# Altium PCB H-Watch.PcbDoc (part 1 of 2) (continued)
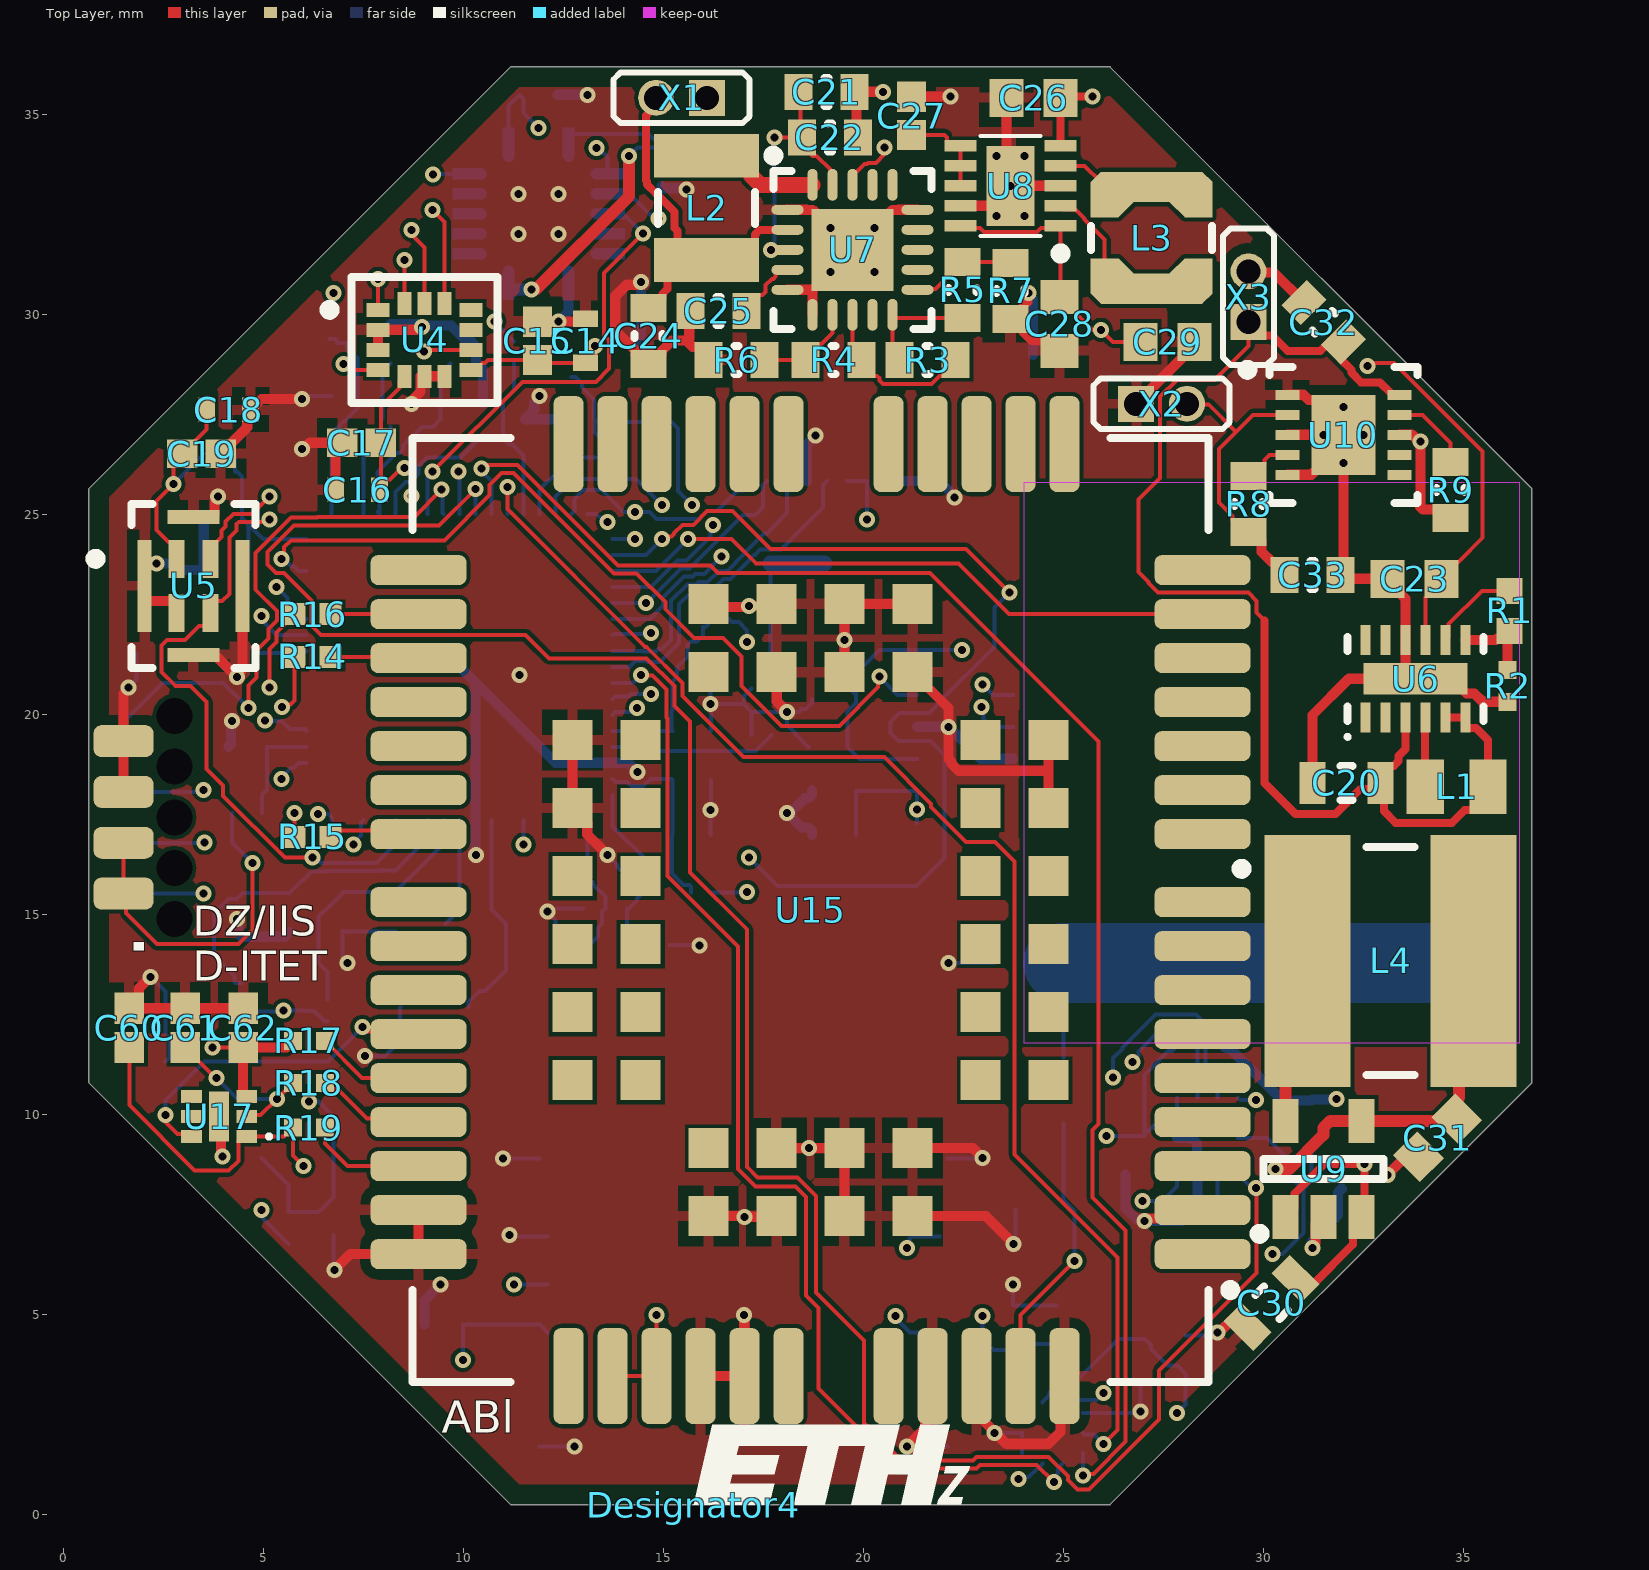
[diagram p0: Top Layer view]
## Components (designator, comment, footprint, x,y, rotation, side; value= is the part's Value field where it differs from the comment)
C1 "10u" CAPC1005X70X10NL05 19.264,20.4 r0 bottom
C2 "100n" CAPC1005X60X30ML05T10 19.114,19.2 r0 bottom
C3 "10u" CAPC1005X70X10NL05 28.425,11.85 r180 bottom
C4 "100n" CAPC1005X60X30ML05T10 31.475,8.15 r180 bottom
C5 "10u" CAPC1005X70X10NL05 31.2,9.81 r270 bottom
C6 "100n" CAPC1005X60X30ML05T10 26.7,9.025 r90 bottom
C7 "220n" CAPC1005X55X25ML05T10 28.425,7.35 r0 bottom
C8 "10u" CAPC1005X70X10NL05 19.264,18.1 r0 bottom
C9 "10u" CAPC1005X70X10NL05 19.264,17 r0 bottom
C10 "10u" CAPC1005X70X10NL05 23.725,4.675 r270 bottom
C11 "100n" CAPC1005X60X30ML05T10 25.15,4.75 r270 bottom
C12 "10u" CAPC1005X70X10NL05 26.925,3.85 r90 bottom
C13 "100n" CAPC1005X60X30ML05T10 28.05,4 r270 bottom
C14 "10u" CAPC1005X70X10NL05 13.05,29.35 r270 top
C15 "100n" CAPC1005X60X30ML05T10 11.85,29.35 r270 top
C16 "10u" CAPC1005X70X10NL05 7.35,25.625 r0 top
C17 "100n" CAPC1005X60X30ML05T10 7.45,26.8 r0 top
C18 "10u" CAPC1005X70X10NL05 4.125,27.625 r180 top
C19 "100n" CAPC1005X60X30ML05T10 3.45,26.525 r180 top
C20 "4.7u" CAPC1608X90X20ML10 32.075,18.3 r0 top
C21 "CAP 4.7uF" CAPC0603(1608)100_L 19.075,35.575 r0 top value=4.7uF
C22 "CAP 10nF" CAPC0603(1608)100_L 19.156,34.436 r0 top value=10nF
C23 "10u" CAPC1608X90X35NL10T15#1 33.775,23.4 r0 top
C24 "CAP 4.7uF" CAPC0603(1608)100_L 14.625,29.475 r90 top value=4.7uF
C25 "CAP 10nF" CAPC0603(1608)100_L 16.375,30.1 r0 top value=10nF
C26 "10u" CAPC1608X90X35NL10T15#1 24.25,35.425 r0 top
C27 "100n" CAPC1005X60X30ML05T10 21.2,34.975 r270 top
C28 "10u" CAPC1608X90X35NL10T15#1 24.9,29.775 r90 top
C29 "10u" CAPC1608X90X35NL10T15#1 27.6,29.325 r180 top
C30 "4.7u" CAPC1608X90X20ML10 30.2,5.3 r45 top
C31 "10u" CAPC1608X90X35NL10T15#2 34.35,9.425 r45 top
C32 "CAP 1uF" CAPC0603(1608)100_L 31.5,29.815 r315 top value=1uF
C33 "CAP 1uF" CAPC0603(1608)100_L 31.225,23.5 r180 top value=1uF
C34 "100n" CAPC1005X60X30ML05T10 6.75,7.475 r90 bottom
C35 "100n" CAPC1005X60X30ML05T10 14.95,33.7 r90 bottom
C36 "100n" CAPC1005X60X30ML05T10 11.875,35.5 r180 bottom
C37 "4p" CAPC1005X55X25ML05T10 8.175,29.275 r270 bottom
C38 "4p" CAPC1005X55X25ML05T10 9.675,29.275 r90 bottom
C39 "4.7u" CAPC1608X90X20ML10 9.275,12.682 r0 bottom
C40 "8p" CAPC1005X55X25NL05T10 12.739,14.274 r0 bottom
C41 "8p" CAPC1005X55X25NL05T10 14.726,14.25 r180 bottom
C42 "10u" CAPC1005X70X10NL05 15.745,20.8 r180 bottom
C43 "100n" CAPC1005X60X30ML05T10 15.7,19.6 r180 bottom
C44 "10u" CAPC1005X70X10NL05 4.484,14.999 r90 bottom
C45 "100n" CAPC1005X60X30ML05T10 5.65,15.049 r90 bottom
C46 "10u" CAPC1005X70X10NL05 4.072,23.617 r0 bottom
C47 "100n" CAPC1005X60X30ML05T10 3.984,24.9 r0 bottom
C48 "10u" CAPC1005X70X10NL05 12.7,28.995 r270 bottom
C49 "100n" CAPC1005X60X30ML05T10 12.7,26.909 r270 bottom
C50 "100n" CAPC1005X60X30ML05T10 15.7,18.375 r180 bottom
C51 "100p" CAPC1005X56X25ML10T15 15.7,17 r180 bottom
C52 "100n" CAPC1005X60X30ML05T10 4.6,19.2 r0 bottom
C53 "100n" CAPC1005X60X30ML05T10 6.975,15.074 r90 bottom
C54 "100p" CAPC1005X56X25ML10T15 8.3,15.074 r90 bottom
C55 "100n" CAPC1005X60X30ML05T10 6.7,27.495 r270 bottom
C56 "100n" CAPC1005X60X30ML05T10 11.532,26.909 r270 bottom
C57 "NM" CAPC1608X90X35ML10T15 24.525,7.619 r0 bottom
C58 "NM" CAPC1608X90X35ML10T15 24,13.8 r0 bottom
C59 "100n" CAPC1005X60X30ML05T10 9.5,4.757 r0 bottom
C60 "33p" CAPC1005X56X25ML10T15 1.643,12.175 r270 top
C61 "33p" CAPC1005X56X25ML10T15 3.038,12.175 r270 top
C62 "33p" CAPC1005X56X25ML10T15 4.488,12.175 r270 top
D1 "SML-P11VTT86R" FP-SML-P1-MFG 2.275,21.525 r0 bottom
Designator4 "Comment" eth-zurich_2mm 15.75,0.25 r0 top
J1 "SOIC_Programmer" Programmer 1.5,16.8 r90 bottom
J2 "52892-1033" MOLX-52892-1033 19.339,27.42 r0 bottom
J3 "Solder Jumper" "Small Solder Jumper" 16.295,22.4 r0 bottom value=1
J4 "Solder Jumper" "Small Solder Jumper" 4.622,13.077 r270 bottom value=1
J5 "Solder Jumper" "Small Solder Jumper" 4.072,26.534 r180 bottom value=1
J6 "Solder Jumper" "Small Solder Jumper" 13.998,26.988 r90 bottom value=1
J7 "Solder Jumper" "Small Solder Jumper" 15.887,15.554 r0 bottom value=1
J8 "Solder Jumper" "Small Solder Jumper" 4.75,17.55 r180 bottom value=1
J9 "Solder Jumper" "Small Solder Jumper" 6.6,12.675 r270 bottom value=1
J10 "Solder Jumper" "Small Solder Jumper" 6.65,29.6 r90 bottom value=1
J11 "Solder Jumper" "Small Solder Jumper" 11.257,28.995 r90 bottom value=1
J12 "104224-0820" 1042240820 17,7.275 r180 bottom
L1 "2.2u" INDC2013X140X50LL20T20 34.825,18.2 r180 top
L2 "CBC3225T220MR" INDC1210(3225)X27_L 16.075,32.675 r90 top value=22uH
L3 "1.5u" COILCRAFT-IND-LPS3015 27.2,31.925 r90 top
L4 "6.8u" SUMI-CDRH5D28_V 33.175,13.85 r0 top
L5 "10u" MURA-IND0805_L 10.3,14.774 r180 bottom
R1 "30k" RESC1005X40X25ML05T05 36.15,22.6 r90 top
R2 "10k" RESC1005X40X25LL05T05 36.1,20.725 r90 top
R3 "1M62" RESC0603(1608)_L 21.6,28.875 r0 top value="1620000.00 Ohm"
R4 "7M32" RESC0603(1608)_L 19.25,28.875 r0 top value="7320000.00 Ohm"
R5 "5M49" RESC0603(1608)_L 22.475,30.625 r270 top value="5490000.00 Ohm"
R6 "5M6" RESC0603(1608)_L 16.825,28.875 r0 top value="5600000.00 Ohm"
R7 "5M6" RESC0603(1608)_L 23.675,30.6 r90 top value="5600000.00 Ohm"
R8 "10K" RESC0603(1608)_L 29.625,25.275 r90 top value="10000.00 Ohm"
R9 "10K" RESC0603(1608)_L 34.675,25.625 r270 top value="10000.00 Ohm"
R10 "10k" RESC1005X40X25LL05T05 5.625,7.175 r270 bottom
R11 "1.5k" RESC1005X40X25ML05T10 4.325,21.55 r0 bottom
R12 "10k" RESC1005X40X25LL05T05 10.489,27.389 r270 bottom
R13 "0R" RESC1609X55X30ML10T20 25,10.607 r90 bottom
R14 "1k" RESC1005X40X25NL05T05 6.225,21.45 r0 top
R15 "1k" RESC1005X40X25NL05T05 6.225,16.95 r180 top
R16 "1k" RESC1005X40X25NL05T05 6.225,22.519 r0 top
R17 "22R" RESC1005X40X25LL05T05 6.134,11.851 r180 top
R18 "22R" RESC1005X40X25LL05T05 6.134,10.801 r180 top
R19 "22R" RESC1005X40X25LL05T05 6.134,9.682 r180 top
SW1 "B3U-1000P" OMRON-B3U-1000_V 3.75,10.125 r135 bottom
U1 "LSM303AGRTR" FP-LGA-12-8487206-MFG 28.6,9.675 r180 bottom
U2 "MAX30101EFD+" FP-F143A5-1-MFG 22.539,18.9 r180 bottom
U3 "LPS22HBTR" FP-HLGA-10L-8479831-0 24.725,2.05 r270 bottom
U4 "LSM6DSMTR" FP-LGA-14L-DM00249496-MFG 9.025,29.375 r0 top
U5 "MP34DT05TR-A" FP-HCLGA-DM00231908-MFG 3.25,23.225 r0 top
U6 "TPS61096ADSST" SON50P200X80_HS-13N 33.8,20.9 r90 top
U7 "BQ25570RGRT" QFN50P350X350X100_HS-21L 19.725,31.625 r0 top
U8 "TPS63031DSKR" DSK10-2000X1200TP_V 23.675,33.225 r180 top
U9 "TPS62202DBVT" Z5+1_N 31.5,8.65 r90 top
U10 "LM3658SD" SDA10A 31.995,27 r0 top
U11 "STM32WB55RGV6" FP-VFQFPN-68-B029-MFG 9.9,21.2 r270 bottom
U12 "AMCA31-2R450G-S1F-T3" AMCA31 20.9,23.6 r0 bottom
U13 "MLPF-WB55-01E3" MLPF-WB55-01E3 17.45,20.075 r180 bottom
U14 "TXB0104RGYR" FP-RGY0014A-MFG 11.875,32.525 r180 bottom
U15 "BC95GJB-02-STD" BC95GJB-02-STD 18.675,15.119 r180 top
U16 "FR01-S4-224" FR01-S4-224 34.6,18.8 r90 bottom
U17 "NUP3112UPMUTAG" ONSC-UDFN-6-517AP-01_V 3.888,9.957 r180 top
X1 "GRPB012VWVN-RC" "Pin Header, 1x2, TH" 15.45,35.425 r180 top
X2 "GRPB012VWVN-RC" "Pin Header, 1x2, TH" 27.45,27.775 r0 top
X3 "GRPB012VWVN-RC" "Pin Header, 1x2, TH" 29.625,30.45 r90 top
Y1 "ABS06-107-32.768KHZ-T" DFN140P200X60-2N-ABS06 8.7,27.389 r180 bottom
Y2 "ABM12-32.000MHZ-B2X-T3" ABM12 13.539,15.587 r0 bottom

## Footprints (in the part's own frame and the unit in brackets; to place one, negate y for a bottom-side part, rotate by r counter-clockwise, add the part's x,y. Pads: shape width x height; smd on the part's side, far side on the other; paste and mask are expansions set on the pad)
1042240820 [mm] "NANOSIM SOCKET 1.11H P/PULL TYPE"
  rect 1x2.3 smd: G1(-5.1,-5.563) G2(-5.1,1.638) G3(5.1,1.638) G4(5.1,-5.563)
  rect 1x0.8 smd: S1(4.9,-2.712) S2(4.9,-1.512) S3(-4.9,-2.712) S4(4.9,-0.312) S5(-4.9,-1.512) S6(-4.9,-0.312)
  rect 1.1x1 smd: ""(-1.82,5.563) ""(1.82,5.563)
  Top Layer keep-out region: -0.6,-3.812 0.6,-3.812 0.6,-6.712 -0.6,-6.712
  Top Layer keep-out region: 1.94,-3.812 3.14,-3.812 3.14,-6.712 1.94,-6.712
  Top Layer keep-out region: -1.94,-6.712 -3.14,-6.712 -3.14,-3.812 -1.94,-3.812
  Top Layer keep-out region: -1.94,0.788 -3.14,0.788 -3.14,3.688 -1.94,3.688
  Top Layer keep-out region: 1.94,3.688 3.14,3.688 3.14,0.788 1.94,0.788
  Top Layer keep-out region: -0.6,3.688 0.6,3.688 0.6,0.788 -0.6,0.788
  silkscreen extent -5.17,-4.16 5.17,5.59, body extent -5.17,-6.96 5.18,5.59, height 1.12
ABM12 [mm] "Crystal Surface Mount 4-SMD 1.6x1.2mm"
  rect 0.6x0.5 smd: 1(-0.55,-0.425) 2(0.55,-0.425) 3(0.55,0.425) 4(-0.55,0.425)
  silkscreen extent -1.05,-0.85 0.05,0.6, body extent -0.8,-0.6 0.8,0.6, height 0.41
AMCA31 [mm] "RF ANT 2.4GHZ CHIP SOLDER SMD"
  rect 0.4x0.4 smd paste-0.5 mask+0.102: 1(-3.23,-0.178)
  rect 0.8x1.6 smd: ""(-1.7,0) ""(1.7,0)
  Top Layer lines w0.401: -3.23,-0.178 -1.878,-0.178
  silkscreen extent -2.8,-0.8 1,0.8, body extent -1.6,-0.8 1.6,0.8, height 2
BC95GJB-02-STD [mm] "NB-IoT Module 54Kbps UART 700MHz to 2100MHz 3.6V Surface Mount"
  rrect50% 2.4x0.75 smd: 1(-9.8,8.6) 2(-9.8,7.5) 3(-9.8,6.4) 4(-9.8,5.3) 5(-9.8,4.2) 6(-9.8,3.1) 7(-9.8,2) 8(-9.8,0.9) 9(-9.8,-0.2) 10(-9.8,-1.9) 11(-9.8,-3) 12(-9.8,-4.1) 13(-9.8,-5.2) 14(-9.8,-6.3) 15(-9.8,-7.4) 16(-9.8,-8.5) 28(9.8,-8.5) 29(9.8,-7.4) 30(9.8,-6.3) 31(9.8,-5.2) 32(9.8,-4.1) 33(9.8,-3) 34(9.8,-1.9) 35(9.8,-0.2) 36(9.8,0.9) 37(9.8,2) 38(9.8,3.1) 39(9.8,4.2) 40(9.8,5.3) 41(9.8,6.4) 42(9.8,7.5) 43(9.8,8.6)
  rrect50% 0.75x2.4 smd: 17(-6.35,-11.65) 18(-5.25,-11.65) 19(-4.15,-11.65) 20(-3.05,-11.65) 21(-1.95,-11.65) 22(0.55,-11.65) 23(1.65,-11.65) 24(2.75,-11.65) 25(3.85,-11.65) 26(4.95,-11.65) 27(6.05,-11.65) 44(6.05,11.65) 45(4.95,11.65) 46(3.85,11.65) 47(2.75,11.65) 48(1.65,11.65) 49(0.55,11.65) 50(-1.95,11.65) 51(-3.05,11.65) 52(-4.15,11.65) 53(-5.25,11.65) 54(-6.35,11.65)
  rect 1x1 smd: 55(-5.95,4.25) 56(-5.95,2.55) 57(-5.95,0.85) 58(-5.95,-0.85) 59(-5.95,-2.55) 60(-5.95,-4.25) 61(-2.55,-7.65) 62(-0.85,-7.65) 63(0.85,-7.65) 64(2.55,-7.65) 65(5.95,-4.25) 66(5.95,-2.55) 67(5.95,-0.85) 68(5.95,0.85) 69(5.95,2.55) 70(5.95,4.25) 71(2.55,7.65) 72(0.85,7.65) 73(-0.85,7.65) 74(-2.55,7.65) 75(-4.25,4.25) 76(-4.25,2.55) 77(-4.25,0.85) 78(-4.25,-0.85) 79(-4.25,-2.55) 80(-4.25,-4.25) 81(-2.55,-5.95) 82(-0.85,-5.95) 83(0.85,-5.95) 84(2.55,-5.95) 85(4.25,-4.25) 86(4.25,-2.55) 87(4.25,-0.85) 88(4.25,0.85) 89(4.25,2.55) 90(4.25,4.25) 91(2.55,5.95) 92(0.85,5.95) 93(-0.85,5.95) 94(-2.55,5.95)
  silkscreen extent -10.62,-11.8 9.95,11.8, body extent -9.95,-11.8 9.95,11.8, height 2.19
CAPC0603(1608)100_L [mm] "Chip Capacitor, Body 1.6x0.8mm, Height 1.0mm, IPC High Density"
  rect 0.7x0.9 smd: 1(-0.7,0) 2(0.7,0)
  silkscreen extent -0.05,-0.35 0.05,0.35, body extent -0.87,-0.47 0.88,0.48, height 1
CAPC1005X55X25ML05T10 [mm] "Chip Capacitor, 2-Leads, Body 1.00x0.50mm, IPC Low Density"
  rect 0.76x0.72 smd: 1(-0.49,0) 2(0.49,0)
  body extent -0.53,-0.28 0.53,0.27, height 0.55
CAPC1005X55X25NL05T10 [mm] "Chip Capacitor, 2-Leads, Body 1.00x0.50mm, IPC Medium Density"
  rect 0.66x0.62 smd: 1(-0.44,0) 2(0.44,0)
  body extent -0.53,-0.28 0.53,0.27, height 0.55
CAPC1005X56X25ML10T15 [mm] "Chip Capacitor, 2-Leads, Body 1.00x0.50mm, IPC Low Density"
  rect 0.78x0.74 smd: 1(-0.49,0) 2(0.49,0)
  body extent -0.55,-0.3 0.55,0.3, height 0.56
CAPC1005X60X30ML05T10 [mm] "Chip Capacitor, 2-Leads, Body 1.00x0.50mm, IPC Low Density"
  rect 0.76x0.72 smd: 1(-0.48,0) 2(0.48,0)
  body extent -0.53,-0.28 0.53,0.27, height 0.6
CAPC1005X70X10NL05 [mm] "Chip Capacitor, 2-Leads, Body 1.05x0.55mm, IPC Medium Density"
  rect 0.42x0.62 smd: 1(-0.55,0) 2(0.55,0)
  body extent -0.52,-0.27 0.53,0.27, height 0.7
CAPC1608X90X20ML10 [mm] "Chip Capacitor, 2-Leads, Body 1.70x0.90mm, IPC Low Density"
  rect 0.65x1.05 smd: 1(-0.85,0) 2(0.85,0)
  silkscreen extent -0.15,-0.43 0.15,0.43, body extent -0.85,-0.45 0.85,0.45, height 0.9
CAPC1608X90X35ML10T15 [mm] "Chip Capacitor, 2-Leads, Body 1.7x0.9mm, IPC Low Density"
  rect 0.95x1.05 smd: 1(-0.725,0) 2(0.725,0)
  body extent -0.85,-0.45 0.85,0.45, height 0.9
CAPC1608X90X35NL10T15#1 [mm] "Chip Capacitor, 2-Leads, Body 1.60x0.80mm, IPC Medium Density"
  rect 0.85x0.95 smd: 1(-0.675,0) 2(0.675,0)
  body extent -0.85,-0.45 0.85,0.45, height 0.9
CAPC1608X90X35NL10T15#2 [mm] "Chip Capacitor, 2-Leads, Body 1.60x0.80mm, IPC Medium Density"
  rect 0.85x0.95 smd mask+0: 1(-0.675,0) 2(0.675,0)
  body extent -0.85,-0.45 0.85,0.45, height 0.9
COILCRAFT-IND-LPS3015 [mm] "Shielded Power Inductor, Body 3.0x3.0x1.4mm"
  rrect1% 0.361x0.361 smd rot 45: 1(-1.395,-1.268) 2(1.395,1.268)
  rrect1% 0.361x0.361 smd rot 135: 1(-1.395,1.268) 2(1.395,-1.268)
  rrect1% 0.76x2.54 smd: 1(-1.27,0) 2(1.27,0)
  rrect1% 0.885x0.7 smd: 1(-0.955,-1.173) 1(-0.955,1.173) 2(0.955,-1.173) 2(0.955,1.173)
  rrect1% 0.537x0.537 smd rot 45: 1(-0.891,-0.826) 2(0.891,0.826)
  rrect1% 0.537x0.537 smd rot 135: 1(-0.891,0.826) 2(0.891,-0.826)
  silkscreen extent -0.3,-1.52 0.3,1.52, body extent -1.51,-1.51 1.52,1.52, height 1.51
DFN140P200X60-2N-ABS06 [mm] "DFN, 2-Leads, Body 1.20x2.00mm, Pitch 1.40mm, ABS06"
  rect 0.75x1.4 smd: 1(-0.725,0) 2(0.725,0)
  silkscreen extent -1.45,-0.6 0.1,0.65, body extent -1,-0.6 1,0.6, height 0.6
DSK10-2000X1200TP_V [mm] "SON, 10-Leads, Body 2.5x2.5mm, Pitch 0.5mm, Thermal Pad 2x1.2 mm"
  rect 0.8x0.28 smd: 1(-1.25,1) 2(-1.25,0.5) 3(-1.25,0) 4(-1.25,-0.5) 5(-1.25,-1) 6(1.25,-1) 7(1.25,-0.5) 8(1.25,0) 9(1.25,0.5) 10(1.25,1)
  rect 1.2x2 smd: 11(0,0)
  silkscreen extent -1.38,-1.25 0.75,1.82, body extent -1.25,-1.25 1.25,1.25, height 0.8
eth-zurich_2mm [mm] "Logo ETH Zurich"
  silkscreen extent 0,0 6.91,2
FP-F143A5-1-MFG [mm]
  rect 0.75x0.35 smd paste+0 mask+0: 1(-1.2,2.4) 2(-1.2,1.6) 3(-1.2,0.8) 4(-1.2,0) 5(-1.2,-0.8) 6(-1.2,-1.6) 7(-1.2,-2.4) 8(1.2,-2.4) 9(1.2,-1.6) 10(1.2,-0.8) 11(1.2,0) 12(1.2,0.8) 13(1.2,1.6) 14(1.2,2.4)
  silkscreen extent -2.75,-2.85 0.45,2.85, body extent -1.65,-2.8 1.65,2.8, height 1.65
FP-HCLGA-DM00231908-MFG [mm]
  rect 0.4x0.95 smd paste+0 mask+0: 1(-0.425,0.675) 2(-0.425,-0.675) 3(0.425,-0.675) 4(0.425,0.675)
  rect 0.35x2.3 smd paste+0 mask+0: 5(-1.225,0) 5(1.225,0)
  rect 1.3x0.35 smd paste+0 mask+0: 5(0,-1.725) 5(0,1.725)
  silkscreen extent -2.57,-2.05 1.55,2.05, body extent -2.05,-2.55 2.05,2.55, height 0.25
FP-HLGA-10L-8479831-0 [mm]
  rect 0.375x0.35 smd paste+0 mask+0: 1(-0.763,0.25) 2(-0.763,-0.25) 6(0.763,-0.25) 7(0.763,0.25)
  rect 0.35x0.375 smd paste+0 mask+0: 3(-0.5,-0.763) 4(0,-0.763) 5(0.5,-0.763) 8(0.5,0.763) 9(0,0.763) 10(-0.5,0.763)
  silkscreen extent -2,-1.3 1.3,1.3, body extent -1,-1 1,1, height 0.8
FP-LGA-12-8487206-MFG [mm]
  rect 0.375x0.35 smd paste+0 mask+0: 1(-0.763,0.75) 2(-0.763,0.25) 3(-0.763,-0.25) 4(-0.763,-0.75) 7(0.763,-0.75) 8(0.763,-0.25) 9(0.763,0.25) 10(0.763,0.75)
  rect 0.35x0.375 smd paste+0 mask+0: 5(-0.25,-0.763) 6(0.25,-0.763) 11(0.25,0.763) 12(-0.25,0.763)
  silkscreen extent -1.92,-1.35 1.35,1.35, body extent -1,-1 1,1, height 1
FP-LGA-14L-DM00249496-MFG [mm]
  rect 0.575x0.35 smd paste+0 mask+0: 1(-1.162,0.75) 2(-1.162,0.25) 3(-1.162,-0.25) 4(-1.162,-0.75) 8(1.162,-0.75) 9(1.162,-0.25) 10(1.162,0.25) 11(1.162,0.75)
  rect 0.35x0.575 smd paste+0 mask+0: 5(-0.5,-0.913) 6(0,-0.913) 7(0.5,-0.913) 12(0.5,0.913) 13(0,0.913) 14(-0.5,0.913)
  silkscreen extent -2.5,-1.58 1.83,1.58, body extent -2.05,-1.8 2.05,1.8, height 0.25
FP-RGY0014A-MFG [mm]
  round 0.252 smd paste-1000 mask+0: 1(-0.75,2) 2(-1.725,1) 3(-1.725,0.5) 4(-2.01,0) 5(-2.01,-0.5) 6(-2.01,-1) 7(-0.75,-1.725) 8(0.75,-2.01) 9(1.725,-1) 10(1.725,-0.5) 11(2,0) 12(2,0.5) 13(2,1) 14(0.75,1.725)
  rect 2.05x2.05 smd paste-1000 mask+0: 15(0,0)
  Top Layer region: 2.15,0.86 1.44,0.86 1.386,0.871 1.341,0.901 1.311,0.946 1.3,1 1.3,1 1.311,1.054 1.341,1.099 1.386,1.129 1.44,1.14 1.44,1.14 2.15,1.14
  Top Layer region: 2.15,0.36 1.44,0.36 1.386,0.371 1.341,0.401 1.311,0.446 1.3,0.5 1.3,0.5 1.311,0.554 1.341,0.599 1.386,0.629 1.44,0.64 1.44,0.64 2.15,0.64
  Top Layer region: 2.15,-0.14 1.44,-0.14 1.386,-0.129 1.341,-0.099 1.311,-0.054 1.3,0 1.3,0 1.311,0.054 1.341,0.099 1.386,0.129 1.44,0.14 1.44,0.14 2.15,0.14
  Top Layer region: 2.15,-0.64 1.44,-0.64 1.386,-0.629 1.341,-0.599 1.311,-0.554 1.3,-0.5 1.3,-0.5 1.311,-0.446 1.341,-0.401 1.386,-0.371 1.44,-0.36 1.44,-0.36 2.15,-0.36
  Top Layer region: 2.15,-1.14 1.44,-1.14 1.386,-1.129 1.341,-1.099 1.311,-1.054 1.3,-1 1.3,-1 1.311,-0.946 1.341,-0.901 1.386,-0.871 1.44,-0.86 1.44,-0.86 2.15,-0.86
  Top Layer region: -2.15,-0.86 -1.44,-0.86 -1.386,-0.871 -1.341,-0.901 -1.311,-0.946 -1.3,-1 -1.3,-1 -1.311,-1.054 -1.341,-1.099 -1.386,-1.129 -1.44,-1.14 -1.44,-1.14 -2.15,-1.14
  Top Layer region: -2.15,-0.36 -1.44,-0.36 -1.386,-0.371 -1.341,-0.401 -1.311,-0.446 -1.3,-0.5 -1.3,-0.5 -1.311,-0.554 -1.341,-0.599 -1.386,-0.629 -1.44,-0.64 -1.44,-0.64 -2.15,-0.64
  Top Layer region: -2.15,0.14 -1.44,0.14 -1.386,0.129 -1.341,0.099 -1.311,0.054 -1.3,0 -1.3,0 -1.311,-0.054 -1.341,-0.099 -1.386,-0.129 -1.44,-0.14 -1.44,-0.14 -2.15,-0.14
  Top Layer region: -2.15,0.64 -1.44,0.64 -1.386,0.629 -1.341,0.599 -1.311,0.554 -1.3,0.5 -1.3,0.5 -1.311,0.446 -1.341,0.401 -1.386,0.371 -1.44,0.36 -1.44,0.36 -2.15,0.36
  Top Layer region: -2.15,1.14 -1.44,1.14 -1.386,1.129 -1.341,1.099 -1.311,1.054 -1.3,1 -1.3,1 -1.311,0.946 -1.341,0.901 -1.386,0.871 -1.44,0.86 -1.44,0.86 -2.15,0.86
  Top Layer region: 0.61,-2.15 0.61,-1.44 0.621,-1.386 0.651,-1.341 0.696,-1.311 0.75,-1.3 0.75,-1.3 0.804,-1.311 0.849,-1.341 0.879,-1.386 0.89,-1.44 0.89,-1.44 0.89,-2.15
  Top Layer region: -0.89,-2.15 -0.89,-1.44 -0.879,-1.386 -0.849,-1.341 -0.804,-1.311 -0.75,-1.3 -0.75,-1.3 -0.696,-1.311 -0.651,-1.341 -0.621,-1.386 -0.61,-1.44 -0.61,-1.44 -0.61,-2.15
  Top Layer region: 0.89,2.15 0.89,1.44 0.879,1.386 0.849,1.341 0.804,1.311 0.75,1.3 0.75,1.3 0.696,1.311 0.651,1.341 0.621,1.386 0.61,1.44 0.61,1.44 0.61,2.15
  Top Layer region: -0.61,2.15 -0.61,1.44 -0.621,1.386 -0.651,1.341 -0.696,1.311 -0.75,1.3 -0.75,1.3 -0.804,1.311 -0.849,1.341 -0.879,1.386 -0.89,1.44 -0.89,1.44 -0.89,2.15
  silkscreen extent -1.83,-1.83 1.83,2.77, body extent -1.75,-1.75 1.75,1.75, height 1
FP-SML-P1-MFG [mm]
  rect 0.5x0.6 smd paste+0 mask+0: 1(-0.45,0) 2(0.45,0)
  silkscreen extent -1.5,-0.6 0.5,0.6, body extent -0.5,-0.3 0.5,0.3, height 0.25
FP-VFQFPN-68-B029-MFG [mm]
  rect 0.65x0.25 smd paste+0 mask+0: 1(-3.825,3.2) 2(-3.825,2.8) 3(-3.825,2.4) 4(-3.825,2) 5(-3.825,1.6) 6(-3.825,1.2) 7(-3.825,0.8) 8(-3.825,0.4) 9(-3.825,0) 10(-3.825,-0.4) 11(-3.825,-0.8) 12(-3.825,-1.2) 13(-3.825,-1.6) 14(-3.825,-2) 15(-3.825,-2.4) 16(-3.825,-2.8) 17(-3.825,-3.2) 35(3.825,-3.2) 36(3.825,-2.8) 37(3.825,-2.4) 38(3.825,-2) 39(3.825,-1.6) 40(3.825,-1.2) 41(3.825,-0.8) 42(3.825,-0.4) 43(3.825,0) 44(3.825,0.4) 45(3.825,0.8) 46(3.825,1.2) 47(3.825,1.6) 48(3.825,2) 49(3.825,2.4) 50(3.825,2.8) 51(3.825,3.2)
  rect 0.25x0.65 smd paste+0 mask+0: 18(-3.2,-3.825) 19(-2.8,-3.825) 20(-2.4,-3.825) 21(-2,-3.825) 22(-1.6,-3.825) 23(-1.2,-3.825) 24(-0.8,-3.825) 25(-0.4,-3.825) 26(0,-3.825) 27(0.4,-3.825) 28(0.8,-3.825) 29(1.2,-3.825) 30(1.6,-3.825) 31(2,-3.825) 32(2.4,-3.825) 33(2.8,-3.825) 34(3.2,-3.825) 52(3.2,3.825) 53(2.8,3.825) 54(2.4,3.825) 55(2,3.825) 56(1.6,3.825) 57(1.2,3.825) 58(0.8,3.825) 59(0.4,3.825) 60(0,3.825) 61(-0.4,3.825) 62(-0.8,3.825) 63(-1.2,3.825) 64(-1.6,3.825) 65(-2,3.825) 66(-2.4,3.825) 67(-2.8,3.825) 68(-3.2,3.825)
  rect 6.4x6.4 smd paste+0 mask+0: 69(0,0)
  silkscreen extent -4.87,-4.08 4.08,4.08, body extent -4,-4 4,4, height 1
FR01-S4-224 [mm] "Antenna Chip"
  rect 2x2 smd paste-0.5: 1(-5,-9.6)
  rect 2.2x3.2 smd: ""(-5,0) ""(5,0)
  Top Layer lines w2: -5,-9.6 -5,0
  Keep-Out Layer region: -7,1.8 7,1.8 7,-10.6 -7,-10.6
  silkscreen extent -3.5,-1.5 3.5,1.5, body extent -6,-1.5 6,1.5, height 2.4
INDC1210(3225)X27_L [mm] "Chip Inductor, 2-Leads, Body 3.2x2.5mm, IPC High Density"
  rect 1.09x2.62 smd: 1(-1.305,0) 2(1.305,0)
  silkscreen extent -0.4,-1.21 0.4,1.21, body extent -1.7,-1.35 1.7,1.35, height 2.7
INDC2013X140X50LL20T20 [mm] "Chip Inductor, 2-Leads, Body 2.2x1.45mm, IPC High Density"
  rect 0.93x1.37 smd: 1(-0.785,0) 2(0.785,0)
  body extent -1.1,-0.72 1.1,0.72, height 1.4
MLPF-WB55-01E3 [mm] "LGA, 6-Leads, Body 1x1.6x0.43mm, Pitch 0.5mm"
  rect 0.2x0.2 smd: 1(-0.25,0.587) 2(0.25,0.587) 3(-0.25,0) 4(0.25,0) 5(-0.25,-0.587) 6(0.25,-0.587)
  silkscreen extent -0.88,-0.8 0.5,0.8, body extent -0.5,-0.8 0.5,0.8, height 0.43
MOLX-52892-1033 [mm] "FPC Connector, 10-Leads, Right Angle, Pitch 0.5 mm, Mated Height 2.0 mm, SMT"
  rect 0.3x1.4 smd: 1(-2.25,1.575) 2(-1.75,1.575) 3(-1.25,1.575) 4(-0.75,1.575) 5(-0.25,1.575) 6(0.25,1.575) 7(0.75,1.575) 8(1.25,1.575) 9(1.75,1.575) 10(2.25,1.575)
  rect 1.6x2.2 smd: MP1(-4.9,-1.575) MP2(4.9,-1.575)
  Top Layer keep-out region: -4.1,-0.475 -2.85,-0.475 -2.85,-3.575 -4.1,-3.575
  Top Layer keep-out region: 2.85,-0.475 4.1,-0.475 4.1,-3.575 2.85,-3.575
  silkscreen extent -4.8,-3.28 4.8,2.95, body extent -5.2,-3.77 5.2,1.73, height 2.05
MURA-IND0805_L [mm] "Chip Inductor, 2-Leads, Body 2.2x1.45mm, IPC High Density"
  rect 0.99x1.39 smd: 1(-0.755,0) 2(0.755,0)
  body extent -1.1,-0.72 1.1,0.72, height 1.45
OMRON-B3U-1000_V [mm] "SMD, 2-Leads, Body 3x2.5mm"
  rect 0.8x1.7 smd: 1(-1.7,0) 2(1.7,0)
  silkscreen extent -2.77,-1.25 1.5,1.25, body extent -1.5,-1.25 1.5,1.25, height 1.75